# Altium PCB HandHeld_Terminal_V2.PcbDoc
Units mil, origin at the board's own origin, x right, y up, seen from the top; angles counter-clockwise.
Board outline 1653.54 x 2401.57 mil, 4 copper layers (Top Layer, GND_02, PWR_03, Bottom Layer), stack 23.756 mil thick; 120 components, 79 nets, 410 pads, 246 vias.
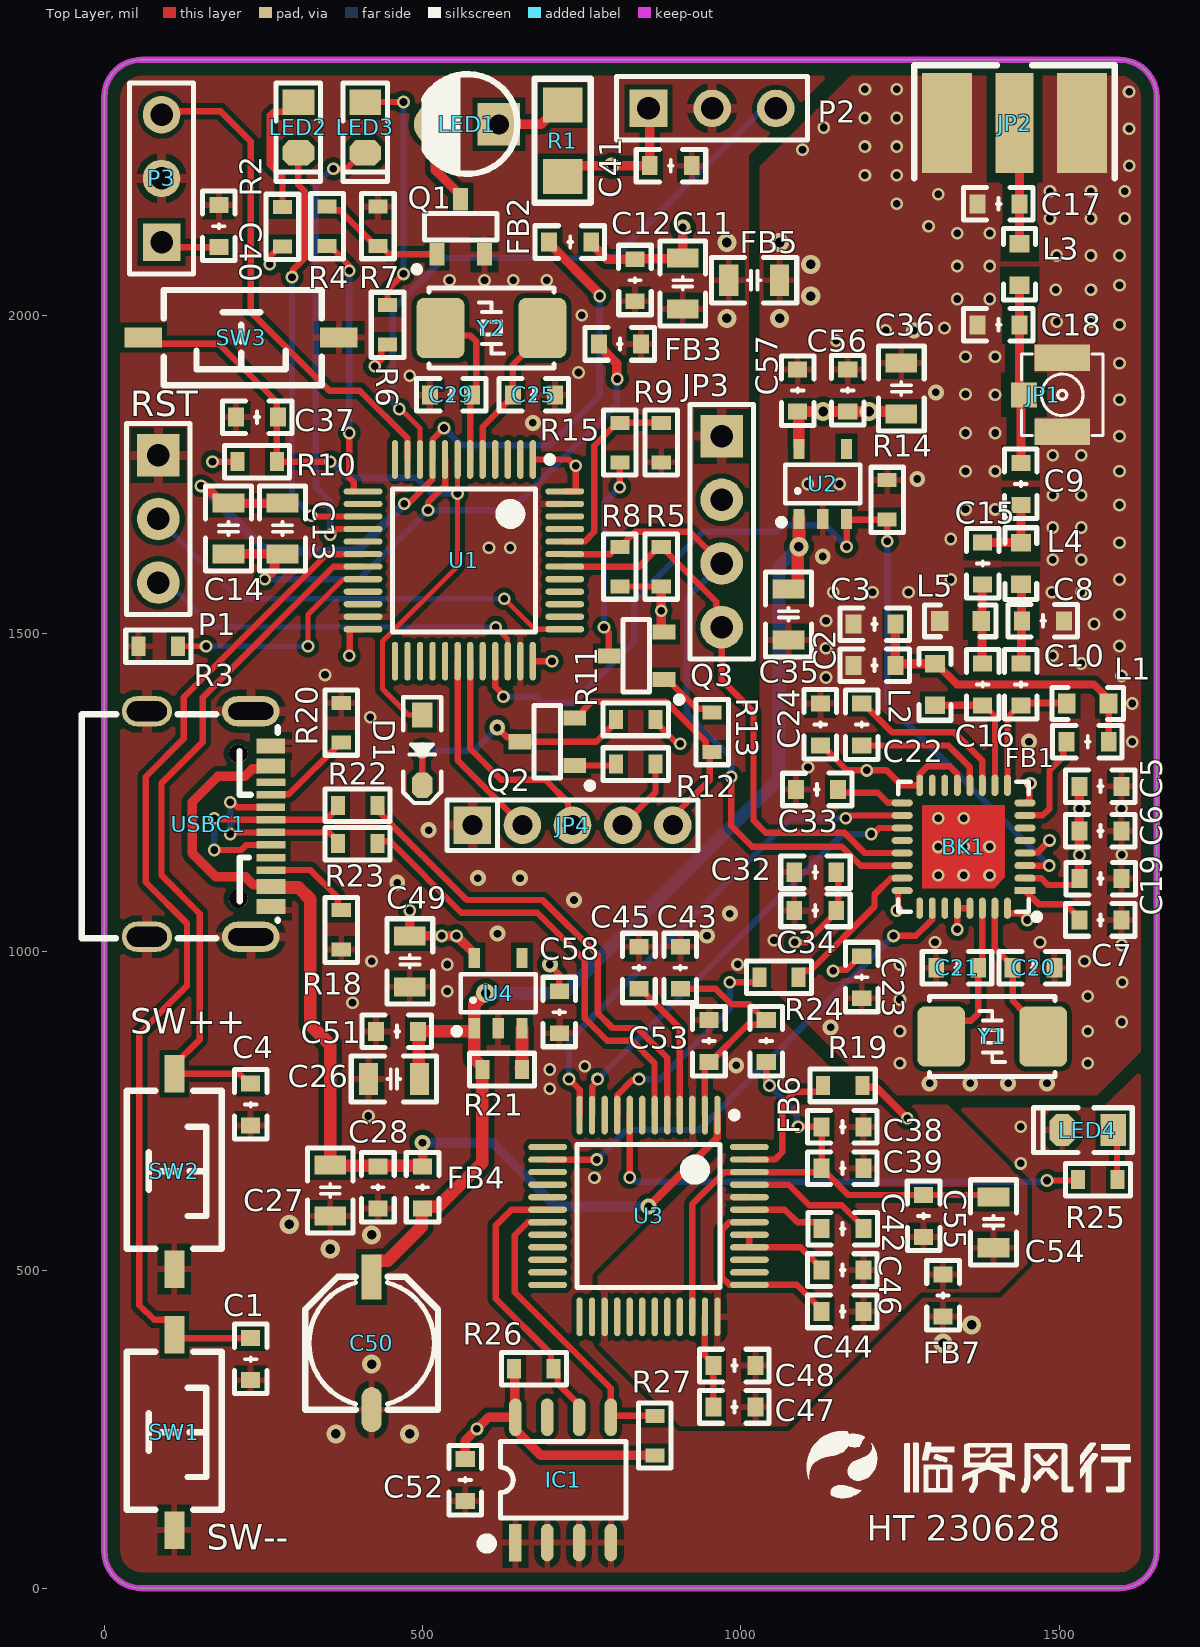
[diagram p0: Top Layer view]
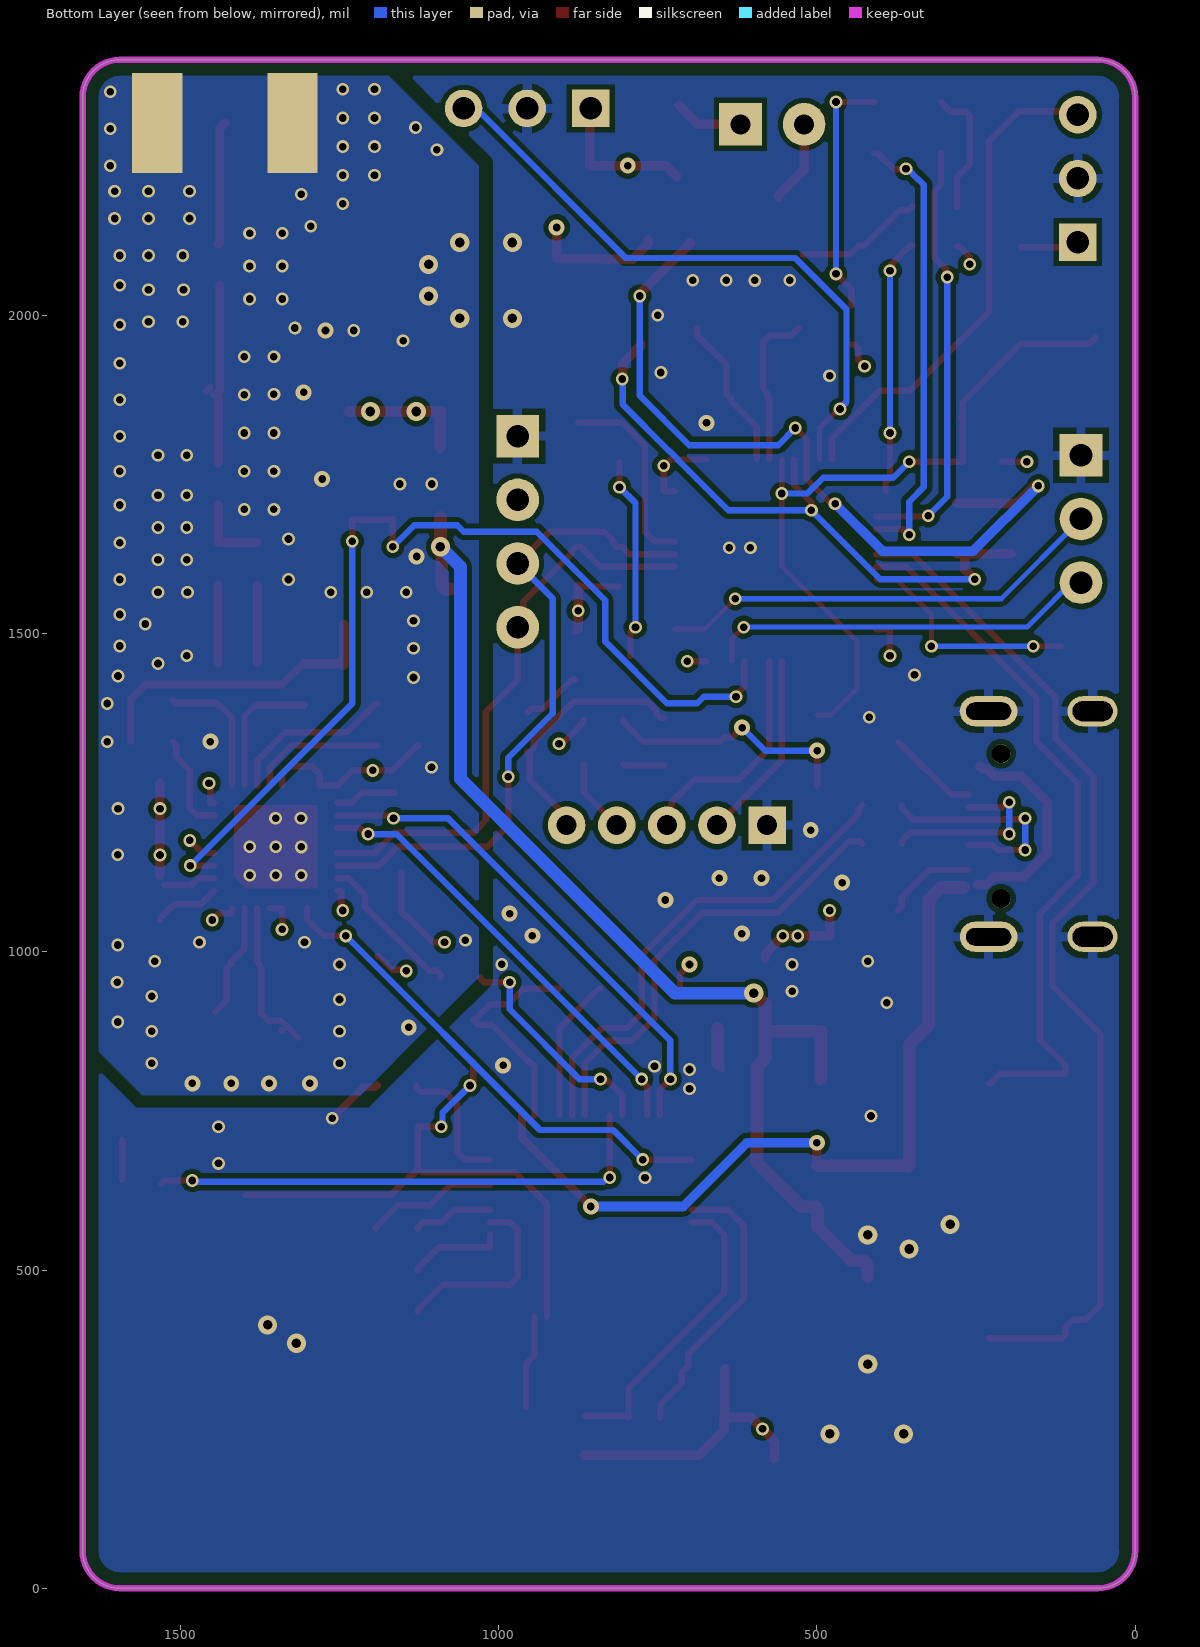
[diagram p1: Bottom Layer view, seen from below]
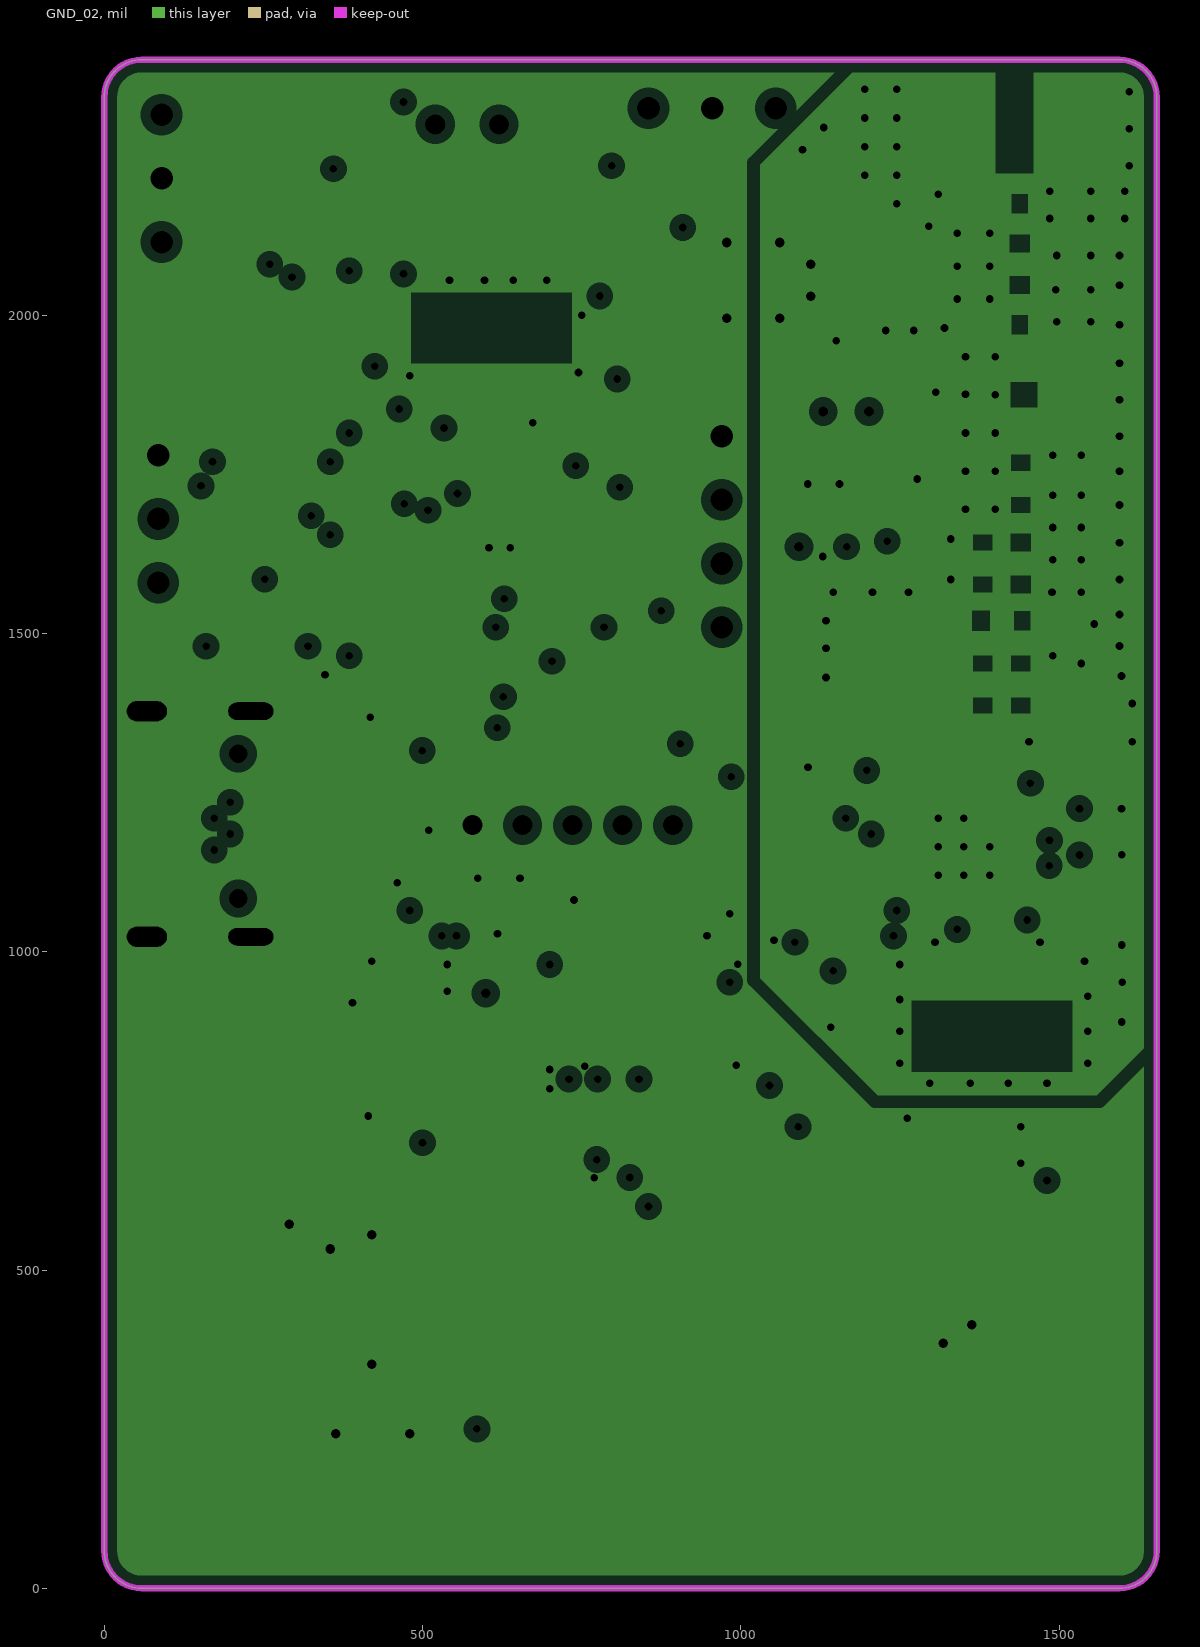
[diagram p2: GND_02, clearances drawn from the general rule]
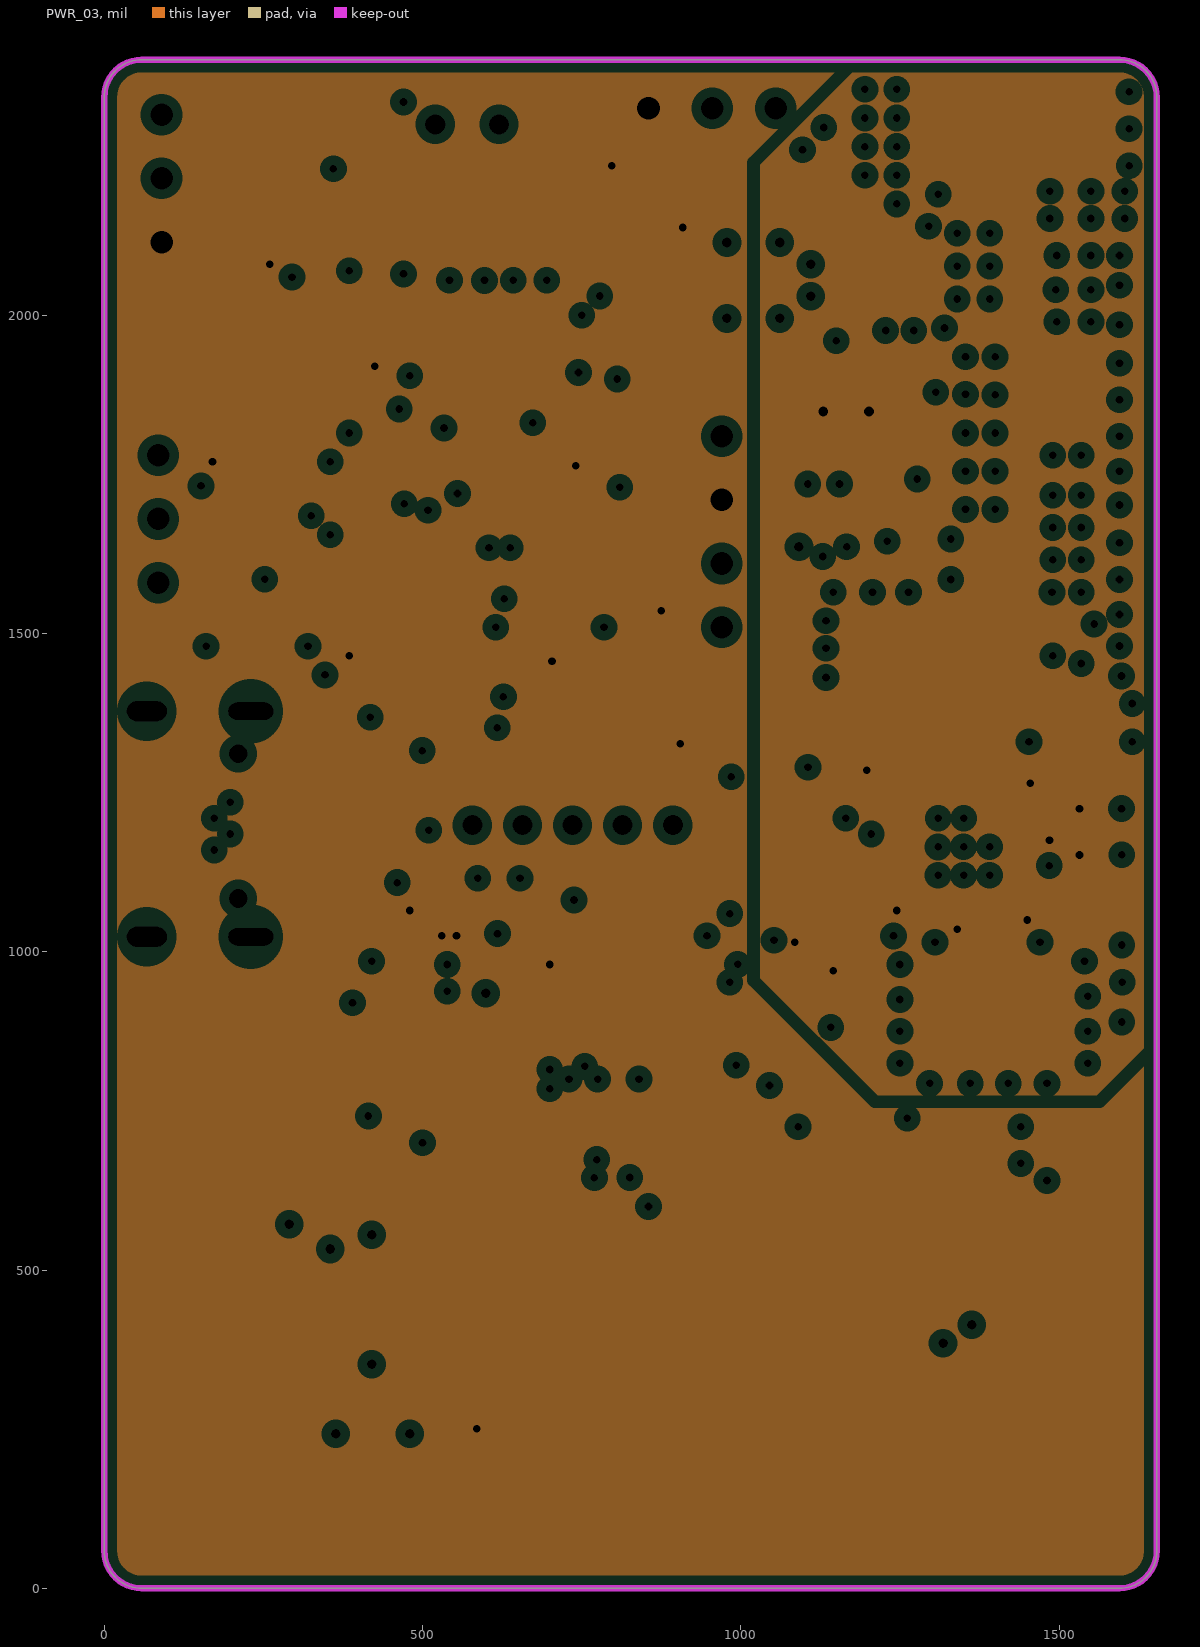
[diagram p3: PWR_03, clearances drawn from the general rule]

## Layer stack, top to bottom
Top Solder: solder mask 0.4, Solder Resist, Dk 3.5
Top Layer: signal copper 1.4
Dielectric 2: prepreg 2.8, PP-006, Dk 4.1
GND_02: plane copper 1.378, net (Multiple Nets)
Dielectric 1: dielectric 12.6, FR-4, Dk 4.8
PWR_03: plane copper 1.378, net (Multiple Nets)
Dielectric 3: prepreg 2.8, PP-006, Dk 4.1
Bottom Layer: signal copper 1.4
Bottom Solder: solder mask 0.4, Solder Resist, Dk 3.5

## Board outline
0,59.06 0,2342.52 cw(c59.06,2342.52) 59.06,2401.57 1594.49,2401.57 cw(c1594.49,2342.52) 1653.54,2342.52 1653.54,59.06 cw(c1594.49,59.06) 1594.49,0 59.06,0 cw(c59.06,59.06)

## Design rules (kind name [scope] priority, off if disabled: settings)
Clearance RF_Pour_Clearance [InNetClass('RF') vs InPolygon] p1: gap=15 ignorepadtopadclearanceinfootprint=TRUE
Clearance Chip_Pin [InComponent('BK1','USBC1')] p2: gap=8 ignorepadtopadclearanceinfootprint=TRUE
Clearance Frame_Shrink [OnLayer('Keep-Out Layer') vs InPolygon] p3: gap=20 ignorepadtopadclearanceinfootprint=FALSE
Clearance [All] p4: gap=8 ignorepadtopadclearanceinfootprint=TRUE
DiffPairsRouting [All] p1: maxlimit=10 minlimit=10 mostfreqgap=10 toplayer_minwidth=8 toplayer_maxwidth=15 toplayer_prefwidth=8 bottomlayer_minwidth=8 bottomlayer_maxwidth=15 bottomlayer_prefwidth=8 maxuncoupledlength=500
MatchedLengths DiffPair_MatchedLengths [InDifferentialPair ('UD')] p1: tolerance=1000 checknetsindiffpair=FALSE checkdiffpairvsdiffpair=TRUE checkxsignals=TRUE checkothers=TRUE
PlaneClearance [All] p1: clearance=15
PlaneConnect [All] p1: planeconnectstyle=Direct reliefexpansion=20 reliefentries=4 reliefconductorwidth=15 reliefairgap=10
PolygonConnect PolygonConnect_RF [InComponentClass('RF_Comp')] p1: connectstyle=Direct reliefconductorwidth=10 reliefentries=4 polygonreliefangle="90 Angle" airgapwidth=10
PolygonConnect [All] p2: thpad.connectstyle=Relief thpad.reliefconductorwidth=15 thpad.reliefentries=4 thpad.polygonreliefangle="90 Angle" thpad.airgapwidth=10 smdpad.connectstyle=Relief smdpad.reliefconductorwidth=10 smdpad.reliefentries=4 smdpad.polygonreliefangle="90 Angle" smdpad.airgapwidth=10 via.connectstyle=Direct via.reliefconductorwidth=10 via.reliefentries=4 via.polygonreliefangle="90 Angle" via.airgapwidth=10
RoutingVias [All] p1: holewidth=12 width=20 viastyle="Through Hole" minholewidth=12 minwidth=18 maxholewidth=25 maxwidth=50
SilkToSilkClearance [All] p1: silktosilkclearance=2
SilkToSolderMaskClearance [IsPad] p1: minsilkscreentomaskgap=2 clearancetoexposedcopper=TRUE
SolderMaskExpansion [All] p1: expansion=4 istentingtop=FALSE
Width PWR [InNetClass('PWR')] p1: maxlimit=50 minlimit=8 preferedwidth=15
Width [All] p2: maxlimit=30 minlimit=8 preferedwidth=10
25 further rules are at their usual default settings.

## Classes and differential pairs
component class RF_Comp: C2 C3 C8 C9 C10 C15 C16 C17 C18 JP1 JP2 L1 L2 L3 L4 L5
net class RF: NetC8_2 NetC9_1 NetC9_2 NetC15_1 NetC17_1
net class PWR: 3V3 +3.3V +3.3VA GND GNDA GNDRF RF3V3 USB_5V VBUS VDDA VSSA
differential pair UD: +UD_P -UD_N

## Components (designator, comment, footprint, x,y, rotation, side; value= is the part's Value field where it differs from the comment)
BK1 "BK9535" "QFN32 5x5_N" 1350,1165 r90 top
C1 "Cap" "C 0603_L" 230,360 r90 top value=0.1μF
C2 "Cap" "C 0603_L" 1210,1450 r0 top value=100pF
C3 "Cap" "C 0603_L" 1210,1514.8 r0 top value=1μF
C4 "Cap" "C 0603_L" 230,760 r90 top value=0.1μF
C5 "Cap" "C 0603_L" 1565,1260 r180 top value=1nF
C6 "Cap" "C 0603_L" 1565,1190 r180 top value=4.7μF
C7 "Cap" "C 0603_L" 1565,1050 r180 top value=4.7μF
C8 "Cap" "C 0603_L" 1475,1520 r180 top value=3.6pF
C9 "Cap" "C 0603_L" 1440,1735 r90 top value=100pF
C10 "Cap" "C 0603_L" 1440,1420 r90 top value=100pF
C11 "Cap" "C 0805_L" 908.78,2050 r90 top value=10μF
C12 "Cap" "C 0603_L" 833.78,2055 r90 top value=0.1μF
C13 "Cap" "C 0805_L" 280,1665 r90 top value=1μF
C14 "Cap" "C 0805_L" 195,1665 r90 top value=10nF
C15 "Cap" "C 0603_L" 1380,1610 r90 top value=3.6pF
C16 "Cap" "C 0603_L" 1380,1420 r90 top value=100pF
C17 "Cap" "C 0603_L" 1405,2175 r180 top value=NC
C18 "Cap" "C 0603_L" 1405,1985 r180 top value=22pF
C19 "Cap" "C 0603_L" 1565,1115 r0 top value=330pF
C20 "Cap" "C 0603_L" 1460,975 r0 top value=22pF
C21 "Cap" "C 0603_L" 1340,975 r180 top value=22pF
C22 "Cap" "C 0603_L" 1190,1357.13 r270 top value=1μF
C23 "Cap" "C 0603_L" 1190,960 r90 top value=2.2μF
C24 "Cap" "C 0603_L" 1125,1357.13 r90 top value=4.7μF
C25 "Cap" "C 0603_L" 675,1875 r180 top value=22pF
C26 "Cap" "C 0805_L" 455,800 r0 top value=4.7μF
C27 "Cap" "C 0805_L" 355,625 r90 top value=10μF
C28 "Cap" "C 0603_L" 430,630 r90 top value=0.1μF
C29 "Cap" "C 0603_L" 545,1875 r0 top value=22pF
C32 "Cap" "C 0603_L" 1117,1125 r0 top value=0.1μF
C33 "Cap" "C 0603_L" 1119.5,1255 r0 top value=1μF
C34 "Cap" "C 0603_L" 1117,1065 r0 top value=1μF
C35 "Cap" "C 0805_L" 1075,1530 r270 top value=10μF
C36 "Cap" "C 0805_L" 1252.15,1884.96 r90 top value=10μF
C37 "Cap" "C 0603_L" 240,1840 r0 top value=0.1μF
C38 "Cap" "C 0603_L" 1160,725 r180 top value=4.7μF
C39 "Cap" "C 0603_L" 1160,660 r180 top value=0.1μF
C40 "Cap" "C 0603_L" 180,2140 r90 top value=0.1μF
C41 "Cap" "C 0603_L" 890,2235 r0 top value=0.1μF
C42 "Cap" "C 0603_L" 1160,565 r0 top value=1μF
C43 "Cap" "C 0603_L" 905,975 r270 top value=4.7μF
C44 "Cap" "C 0603_L" 1160,435 r180 top value=4.7μF
C45 "Cap" "C 0603_L" 840,975 r270 top value=4.7μF
C46 "Cap" "C 0603_L" 1160,500 r180 top value=4.7μF
C47 "Cap" "C 0603_L" 990,285 r180 top value=4.7μF
C48 "Cap" "C 0603_L" 990,350 r180 top value=10nF
C49 "Cap" "C 0805_L" 480,985 r270 top value=10μF
C50 "Cap Pol1" "CM C(5*5.4)" 420,385 r90 top value=100μF
C51 "Cap" "C 0603_L" 460,875 r180 top value=0.1μF
C52 "Cap" "C 0603_L" 567.13,170.31 r270 top value=0.1μF
C53 "Cap" "C 0603_L" 950,860 r270 top value=0.1μF
C54 "Cap" "C 0805_L" 1397.16,575 r90 top value=4.7μF
C55 "Cap" "C 0603_L" 1287.16,585 r90 top value=10nF
C56 "Cap" "C 0603_L" 1167.96,1881.96 r90 top value=0.1μF
C57 "Cap" "C 0603_L" 1089.38,1881.96 r270 top value=1nF
C58 "Cap" "C 0603_L" 715,905 r90 top value=0.1μF
D1 "1N4148" SOD-323 499.58,1316.75 r270 top
FB1 "Ferrite bead" "C 0603_L" 1545,1330 r180 top value=1K
FB2 "Ferrite bead" "C 0603_L" 732,2115 r180 top value=600R
FB3 "Ferrite bead" "C 0603_L" 810,1955 r180 top value=600R
FB4 "Ferrite bead" "C 0603_L" 500,630 r90 top value=30Ω
FB5 "Ferrite bead" "C 0805_L" 1021,2055 r0 top value=600R
FB6 "Ferrite bead" "C 0603_L" 1040,860 r270 top value=33Ω
FB7 "Ferrite bead" "C 0603_L" 1317.75,460 r90 top value=33Ω
IC1 "24Cxx" SOP8_L 720.91,170.31 r90 top
JP1 "SMA WIFI 天线接口" COAXIAL/SMD/CON/V/I-PEX/W08-5801 1505,1875 r270 top
JP2 "SMA WIFI 天线接口" SMA-KE 1430,2302 r0 top
JP3 "HDR-1X4" HDR2.54-LI-4P 970,1660 r270 top
JP4 "HDR-1X5" HDR2.0-LI-5P 735.67,1198.86 r0 top
L1 "L" "L 0603" 1545,1390 r0 top value=33nH
L2 "L" "L 0603" 1305,1420 r90 top value=33nH
L3 "L" "L 0603" 1438,2080 r270 top value=5.6nH
L4 "L" "L 0603" 1440,1610 r270 top value=16nH
L5 "L" "L 0603" 1345,1520 r0 top value=16nH
LED1 "红外" "LED 3MM-R" 570,2300 r180 top
LED2 "红色" "LED 0805R" 305,2295 r270 top
LED3 "绿色" "LED 0805G" 410,2295 r270 top
LED4 "蓝色" "LED 0805B" 1545,720 r180 top
P1 "Header 3" HDR2.54-LI-3P 85,1680 r270 top
P2 "Header 3" HDR1X3 855,2325 r0 top
P3 "Header 3" HDR1X3 90,2115 r90 top
Q1 "AO3400" SOT-23-3L 560,2135 r90 top
Q2 "SS8050" SOT-23-3L 700,1330 r180 top
Q3 "SS8550" SOT-23-3L 840,1465 r180 top
R1 "Resistor" "R 1206_L" 720,2275 r270 top value=15Ω
R2 "Resistor" "R 0603_L" 280,2139 r270 top value=1K
R3 "Resistor" "R 0603_L" 85,1480 r180 top value=10K
R4 "Resistor" "R 0603_L" 350,2140 r270 top value=100Ω
R5 "Resistor" "R 0603_L" 875,1605 r90 top value=3.3K
R6 "Resistor" "R 0603_L" 445,1985 r270 top value=2K
R7 "Resistor" "R 0603_L" 430,2140 r270 top value=10K
R8 "Resistor" "R 0603_L" 810,1605 r90 top value=3.3K
R9 "Resistor" "R 0603_L" 875,1800 r270 top value=10K
R10 "Resistor" "R 0603_L" 240,1770 r180 top value=10K
R11 "Resistor" "R 0603_L" 835,1365 r180 top value=10K
R12 "Resistor" "R 0603_L" 835,1295 r180 top value=1K
R13 "Resistor" "R 0603_L" 955,1345 r90 top value=1K
R14 "Resistor" "R 0603_L" 1230,1710 r270 top value=100K
R15 "Resistor" "R 0603_L" 810,1800 r90 top value=1K
R18 "Resistor" "R 0603_L" 372.28,1034.41 r270 top value=5.1K
R19 "Resistor" "R 0603_L" 1160,790 r0 top value=1K
R20 "Resistor" "R 0603_L" 372.28,1360 r270 top value=5.1K
R21 "Resistor" "R 0603_L" 625,815 r180 top value=10K
R22 "Resistor" "R 0603_L" 397.87,1230 r0 top value=22Ω
R23 "Resistor" "R 0603_L" 397.87,1170 r180 top value=22Ω
R24 "Resistor" "R 0603_L" 1060,960 r0 top value=0Ω
R25 "Resistor" "R 0603_L" 1561.13,642 r180 top value=1K
R26 "Resistor" "R 0603_L" 675,345 r180 top value=4.7K
R27 "Resistor" "R 0603_L" 865,240 r270 top value=4.7K
SW1 "3x6x5" "TSW SMD-3*6*2.5" 110,245 r270 top
SW2 "3x6x5" "TSW SMD-3*6*2.5" 110,655 r270 top
SW3 "3x6x5" "TSW SMD-3*6*2.5" 215,1965 r180 top
U1 "STM32L051C8T6" LQFP48_L 565,1615 r270 top
U2 "RT9013" SOT23-5L 1128.78,1735 r0 top
U3 "SSS1700" LQFP48_L 855,585 r270 top
U4 "RT9013" SOT23-5L 618.78,935 r0 top
USBC1 "TYPE-C 2.0 -16P" USB-C-SMD_TYPE-C-USB-5 164.29,1200.79 r270 top
Y1 "24.576M" "OSC 5032-2P" 1395,867 r180 top
Y2 "8MHz ±20ppm 20pF" "OSC 5032-2P" 608.33,1980 r0 top

## Footprints (in the part's own frame and the unit in brackets; to place one, negate y for a bottom-side part, rotate by r counter-clockwise, add the part's x,y. Pads: shape width x height; smd on the part's side, far side on the other; paste and mask are expansions set on the pad)
"C 0603_L" [mil] "无极性贴片电容                                       淘宝ID:黄晶宝石"
  rect 25x30 smd: 1(-33,0) 2(33,0)
  silkscreen extent -54,-26 55,26, body extent -31,-16 31,16, height 32
"C 0805_L" [mil] "无极性贴片电容                                        淘宝ID:黄晶宝石"
  rect 30x50 smd: 1(-40,0) 2(40,0)
  silkscreen extent -67,-36 67,36, body extent -39,-24 39,24, height 20
"CM C(5*5.4)" [mm] "贴片电解电容，直径5mm，高5.4mm            淘宝ID:黄晶宝石"
  rect 1.8x0.8 smd: 1(2.65,0)
  oval 1.8x0.8 smd: 2(-2.65,0)
  silkscreen extent -2.65,-2.65 2.65,2.65, body extent -2.95,-2.65 2.95,2.65, height 5.4
COAXIAL/SMD/CON/V/I-PEX/W08-5801 [mm] "https://shop463601444.taobao.com"
  rect 1x1.05 smd: 1(0,-1.525)
  rect 1.05x2.2 smd: 2(-1.475,0) 3(1.475,0)
  silkscreen extent -1.63,-1.63 1.63,1.63, body extent -1.5,-1.42 1.5,1.68, height 1.25
HDR1X3 [mm] "Connector; Header; 3 Position"
  rect 1.5x1.5 hole 0.9: 1(0,0)
  round 1.5 hole 0.9: 2(2.54,0) 3(5.08,0)
  silkscreen extent -1.27,-1.27 6.35,1.27
HDR2.0-LI-5P [mm] "直插，脚距：2.0mm"
  rect 1.5x1.5 hole 0.8: 1(-4,0)
  round 1.5 hole 0.8: 2(-2,0) 3(0,0) 4(2,0) 5(4,0)
  silkscreen extent -5,-1 5,1
HDR2.54-LI-3P [mm] "排针，3脚"
  rect 1.7x1.7 hole 0.9: 1(-2.54,0)
  round 1.7 hole 0.9: 2(0,0) 3(2.54,0)
  silkscreen extent -3.81,-1.27 3.81,1.27, body extent -3.81,-1.27 3.81,1.27, height 8.5
HDR2.54-LI-4P [mm] "排针，4脚"
  rect 1.7x1.7 hole 0.9: 1(-3.81,0)
  round 1.7 hole 0.9: 2(-1.27,0) 3(1.27,0) 4(3.81,0)
  silkscreen extent -5.08,-1.27 5.08,1.27, body extent -5.08,-1.27 5.08,1.27, height 8.5
"L 0603" [mm] "小功率贴片电感        淘宝ID:黄晶宝石"
  rect 0.7x0.8 smd: 1(-0.83,0) 2(0.83,0)
  silkscreen extent -1.43,-0.64 1.43,0.64, body extent -0.8,-0.4 0.8,0.4, height 0.8
"LED 3MM-R" [mm] "红色3mm直插LED                                   淘宝ID:黄晶宝石"
  rect 1.7x1.7 hole 0.8: 1(-1.27,0)
  round 1.7 hole 0.8: 2(1.27,0)
  silkscreen extent -2.01,-2 1.72,1.98, body extent -1.95,-1.95 1.64,1.95, height 5.55
"LED 0805B" [mil] "蓝色0805LED                                    淘宝ID:黄晶宝石"
  rect 40x50 smd: 1(-40,0)
  oct 40x50 smd: 2(40,0)
  silkscreen extent -70,-35 85,35, body extent -39,-25 39,25, height 32
"LED 0805G" [mil] "绿色0805LED                              淘宝ID:黄晶宝石"
  rect 40x50 smd: 1(-40,0)
  oct 40x50 smd: 2(40,0)
  silkscreen extent -70,-35 85,35, body extent -39,-25 39,25, height 32
"LED 0805R" [mil] "红色0805LED                                       淘宝ID:黄晶宝石"
  rect 40x50 smd: 1(-40,0)
  oct 40x50 smd: 2(40,0)
  silkscreen extent -70,-35 85,35, body extent -39,-25 39,25, height 32
LQFP48_L [mm] "封装库来自淘宝 ID：黄晶宝石 Thin QFP, 48-Leads, Body 7x7mm, Pitch 0.5mm, IPC High Density"
  oval 1.55x0.25 smd: 1(-4.025,2.75) 2(-4.025,2.25) 3(-4.025,1.75) 4(-4.025,1.25) 5(-4.025,0.75) 6(-4.025,0.25) 7(-4.025,-0.25) 8(-4.025,-0.75) 9(-4.025,-1.25) 10(-4.025,-1.75) 11(-4.025,-2.25) 12(-4.025,-2.75) 25(4.025,-2.75) 26(4.025,-2.25) 27(4.025,-1.75) 28(4.025,-1.25) 29(4.025,-0.75) 30(4.025,-0.25) 31(4.025,0.25) 32(4.025,0.75) 33(4.025,1.25) 34(4.025,1.75) 35(4.025,2.25) 36(4.025,2.75)
  oval 0.25x1.55 smd: 13(-2.75,-4.025) 14(-2.25,-4.025) 15(-1.75,-4.025) 16(-1.25,-4.025) 17(-0.75,-4.025) 18(-0.25,-4.025) 19(0.25,-4.025) 20(0.75,-4.025) 21(1.25,-4.025) 22(1.75,-4.025) 23(2.25,-4.025) 24(2.75,-4.025) 37(2.75,4.025) 38(2.25,4.025) 39(1.75,4.025) 40(1.25,4.025) 41(0.75,4.025) 42(0.25,4.025) 43(-0.25,4.025) 44(-0.75,4.025) 45(-1.25,4.025) 46(-1.75,4.025) 47(-2.25,4.025) 48(-2.75,4.025)
  silkscreen extent -4.15,-2.85 2.85,3.55, body extent -4.5,-4.5 4.5,4.5, height 1.45
"OSC 5032-2P" [mil] "5mm*3.2mm*0.8mm(长*宽*高)                  淘宝ID:黄晶宝石"
  rrect30% 75x94.49 smd: 1(-80,0) 2(80,0)
  silkscreen extent -98,-63 98,63, body extent -98,-63 98,63, height 34
"QFN32 5x5_N" [mm] "32脚，长x宽x高：5x5x0.95mm，脚距：0.5mm"
  rect 0.275x0.85 smd: 1(-1.751,-2.451)
  oval 0.275x0.85 smd: 2(-1.25,-2.451) 3(-0.75,-2.451) 4(-0.25,-2.451) 5(0.25,-2.451) 6(0.75,-2.451) 7(1.25,-2.451) 8(1.75,-2.451) 17(1.75,2.451) 18(1.25,2.451) 19(0.75,2.451) 20(0.25,2.451) 21(-0.25,2.451) 22(-0.75,2.451) 23(-1.25,2.451) 24(-1.75,2.451)
  oval 0.85x0.275 smd: 9(2.451,-1.75) 10(2.451,-1.25) 11(2.451,-0.75) 12(2.451,-0.25) 13(2.451,0.25) 14(2.451,0.75) 15(2.451,1.25) 16(2.451,1.75) 25(-2.451,1.75) 26(-2.451,1.25) 27(-2.451,0.75) 28(-2.451,0.25) 29(-2.451,-0.25) 30(-2.451,-0.75) 31(-2.451,-1.25) 32(-2.451,-1.75)
  round 0.025 smd: 33(0,0)
  Top Layer region: -1.22,-1.65 -1.651,-1.219 -1.651,1.65 1.65,1.65 1.65,-1.65
  silkscreen extent -2.92,-3.05 2.6,2.6, body extent -2.5,-2.5 2.5,2.5, height 0.93